# Altium PCB MdBBCar_CenterBoad_v1.0.PcbDoc
Units mil, origin at the board's own origin, x right, y up, seen from the top; angles counter-clockwise.
Board outline 3228.34 x 2154.2 mil, 4 copper layers (Top Layer, GND, PWR, Bottom Layer), stack 44.358 mil thick; 39 components, 37 nets, 233 pads, 335 vias.
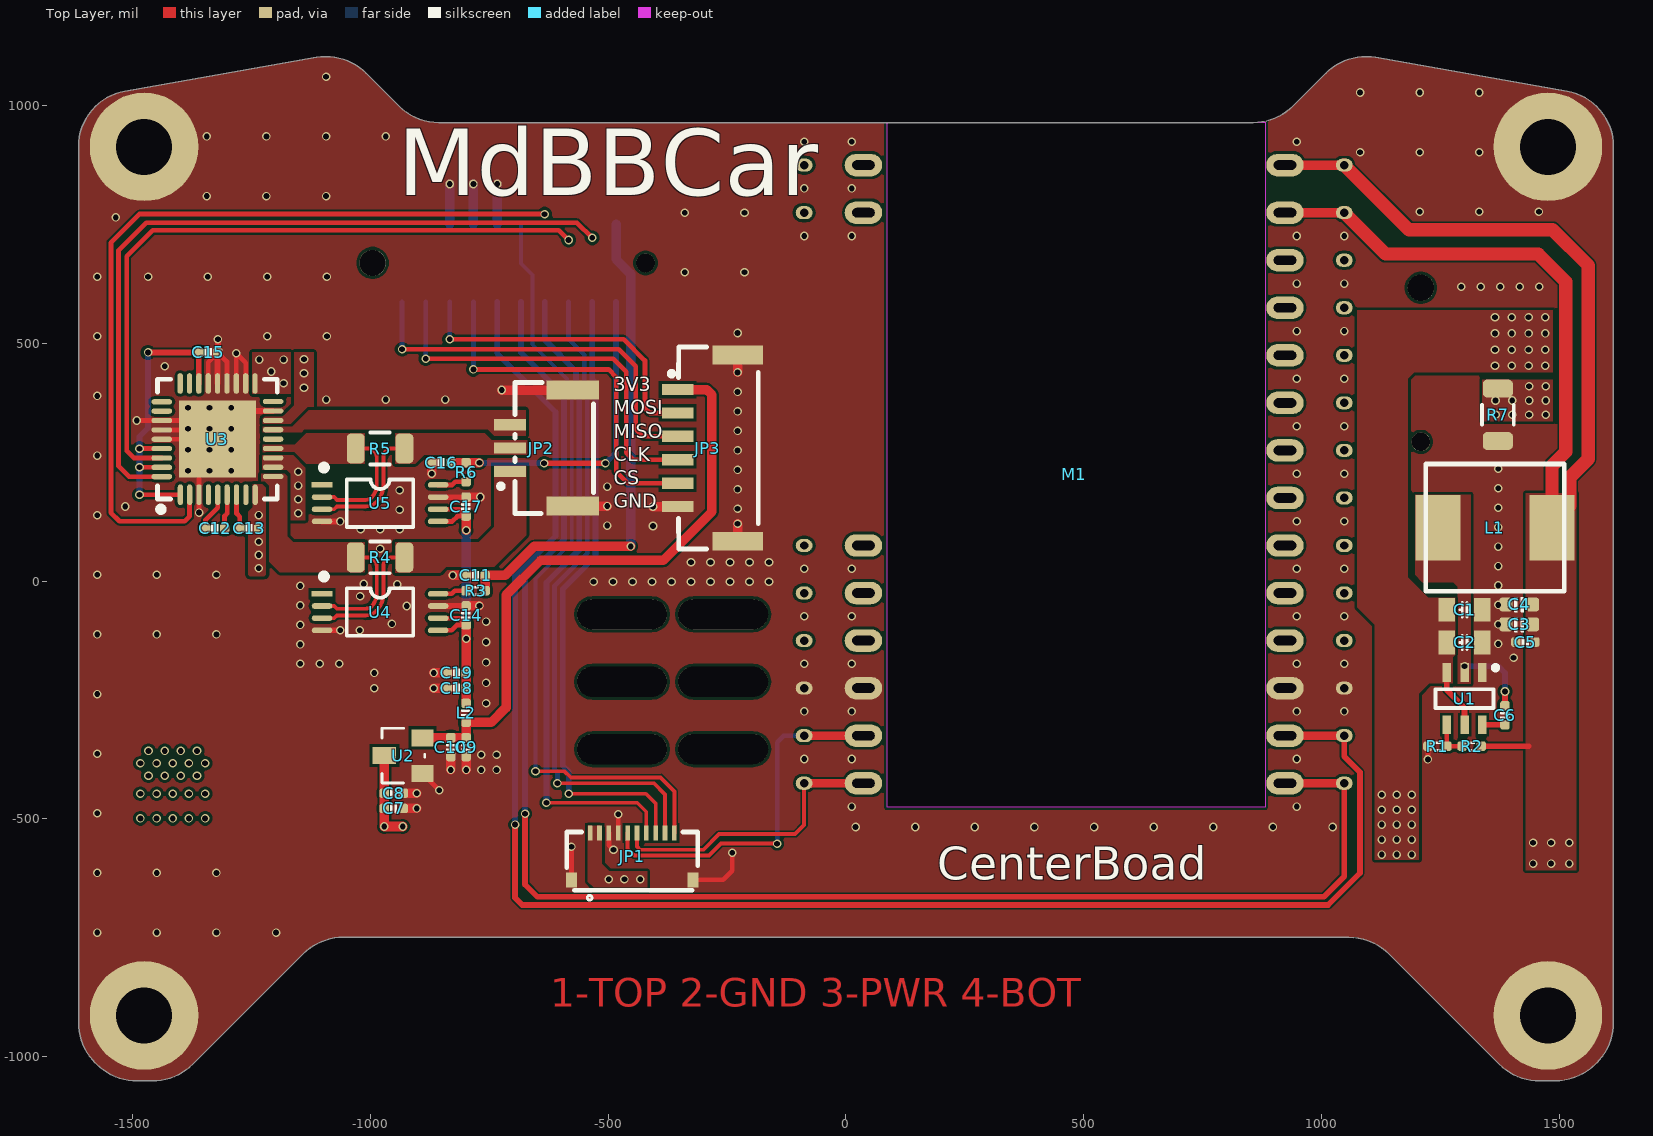
[diagram p0: Top Layer view]
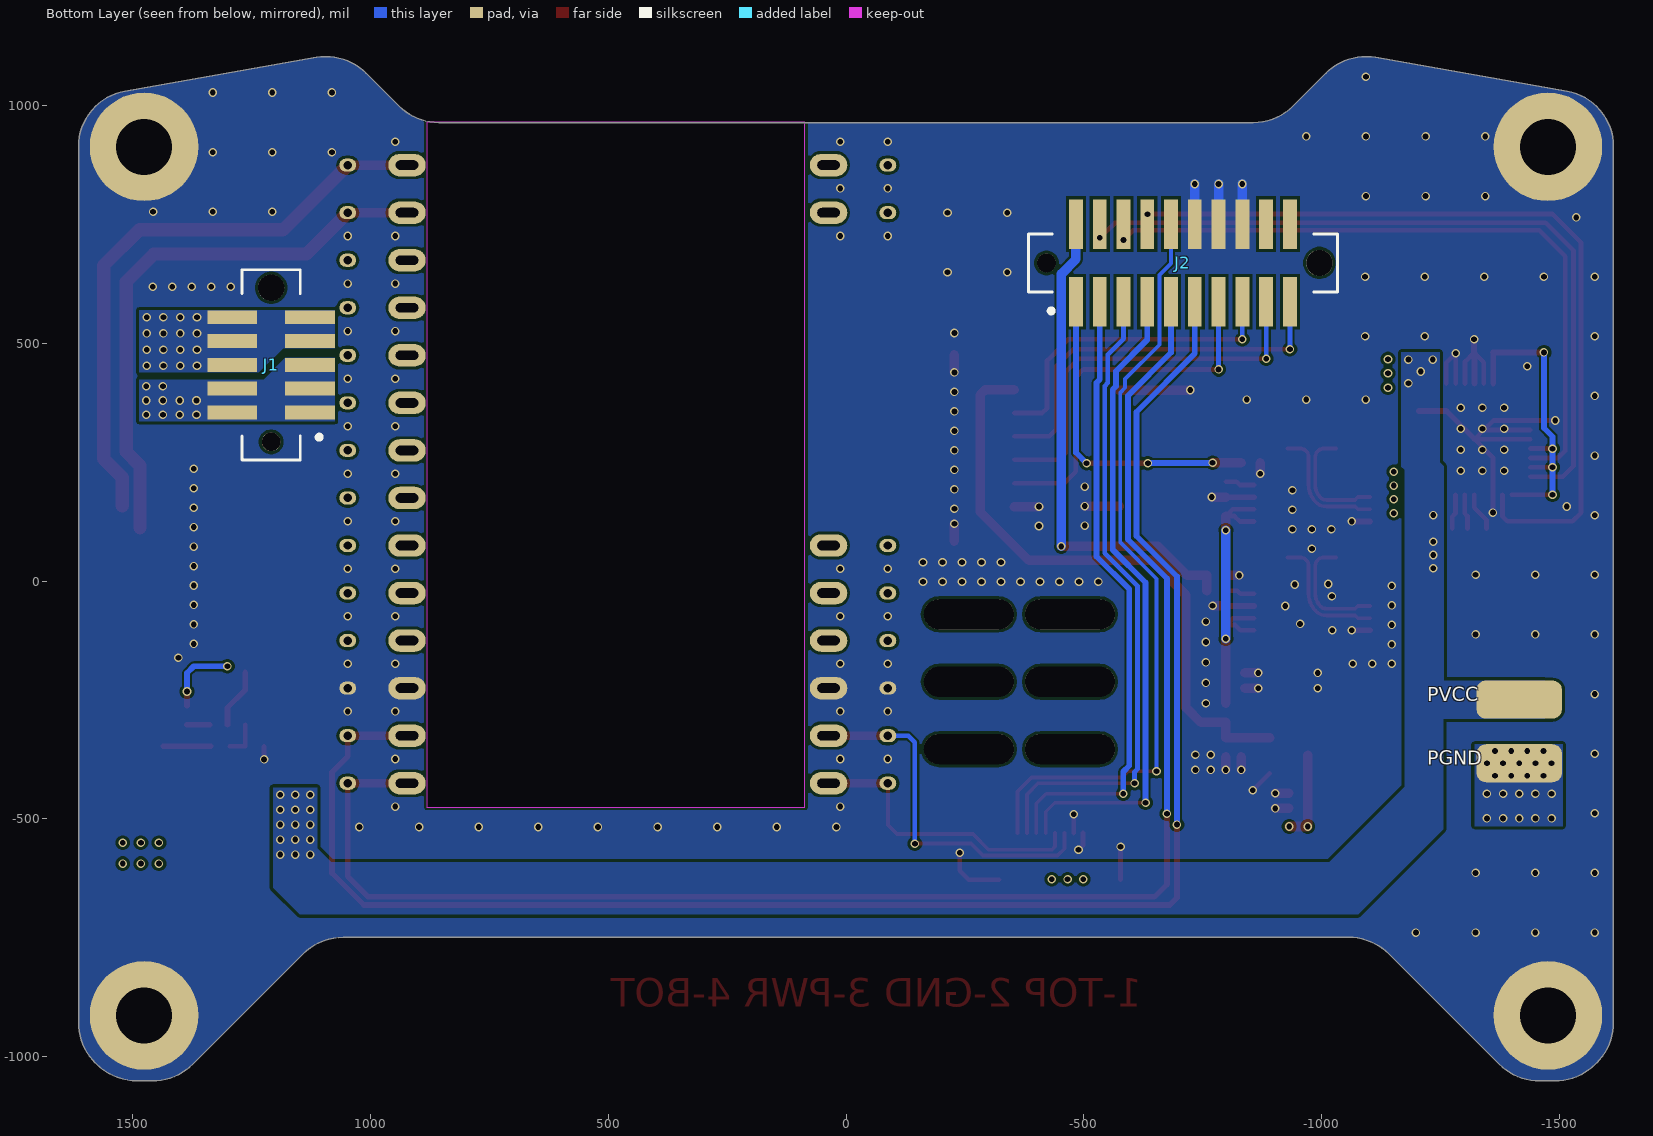
[diagram p1: Bottom Layer view, seen from below]
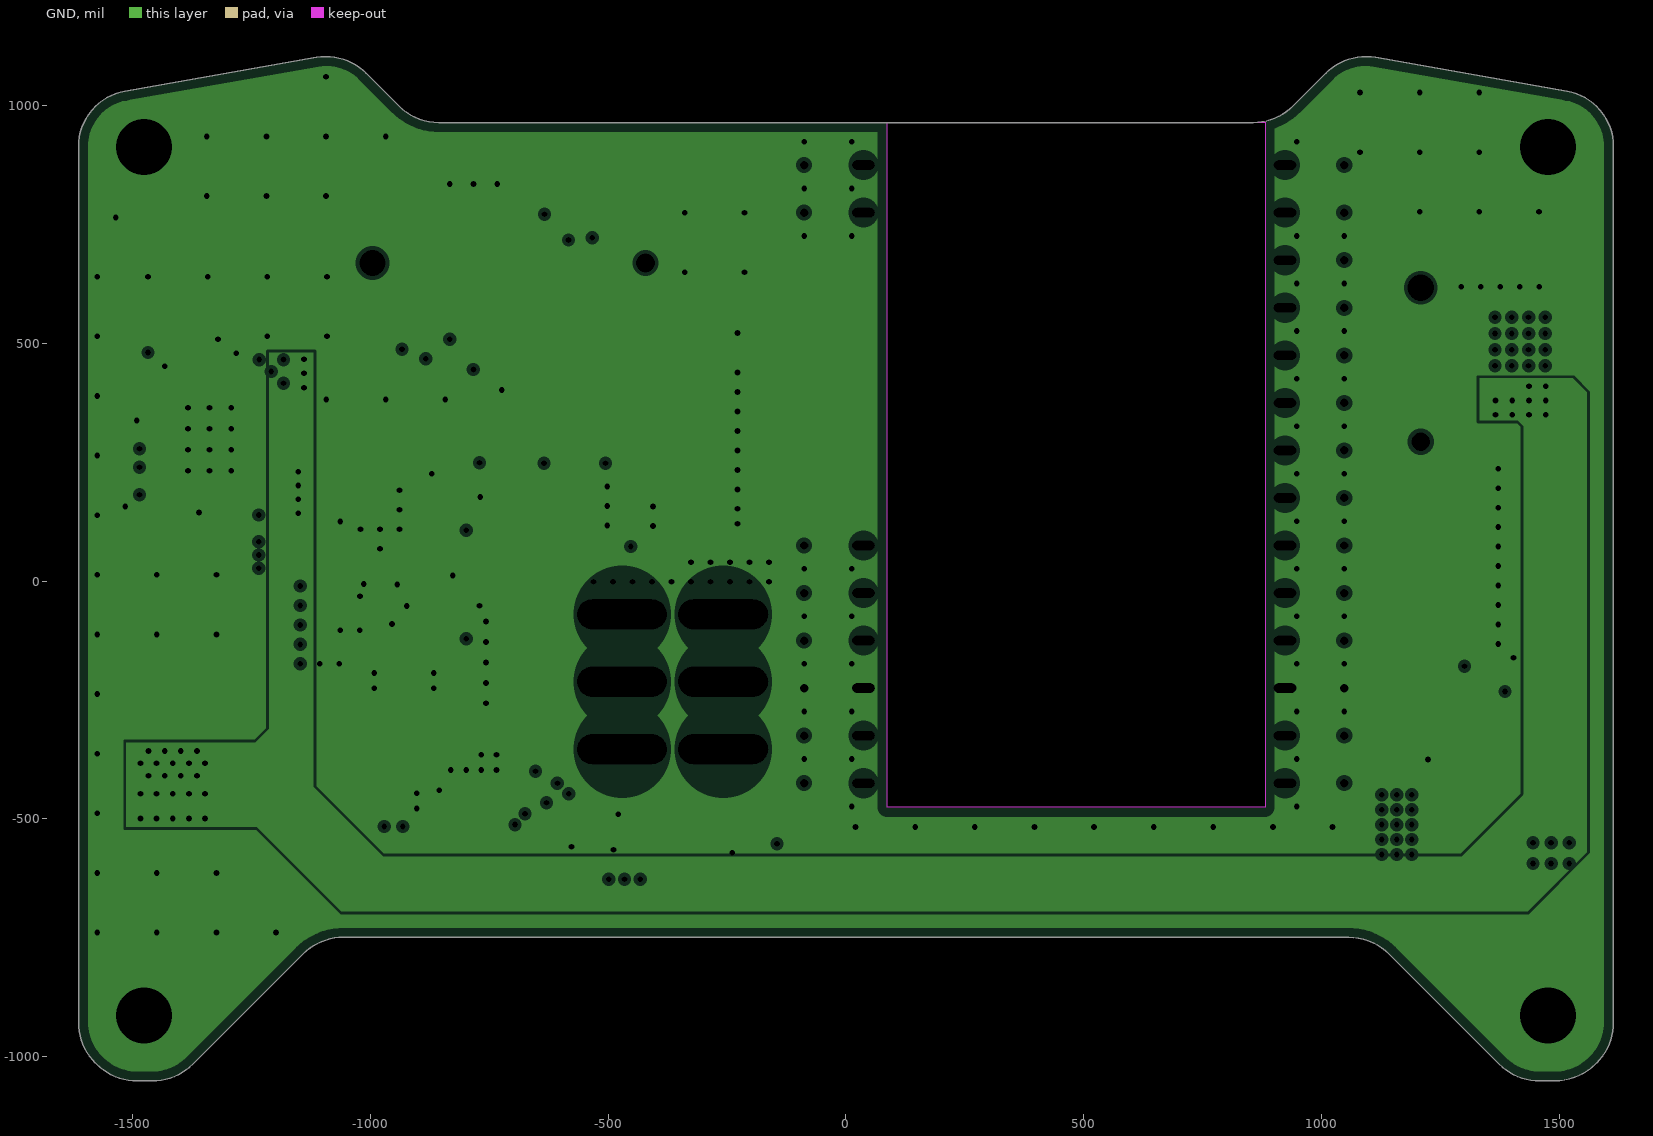
[diagram p2: GND, clearances drawn from the general rule]
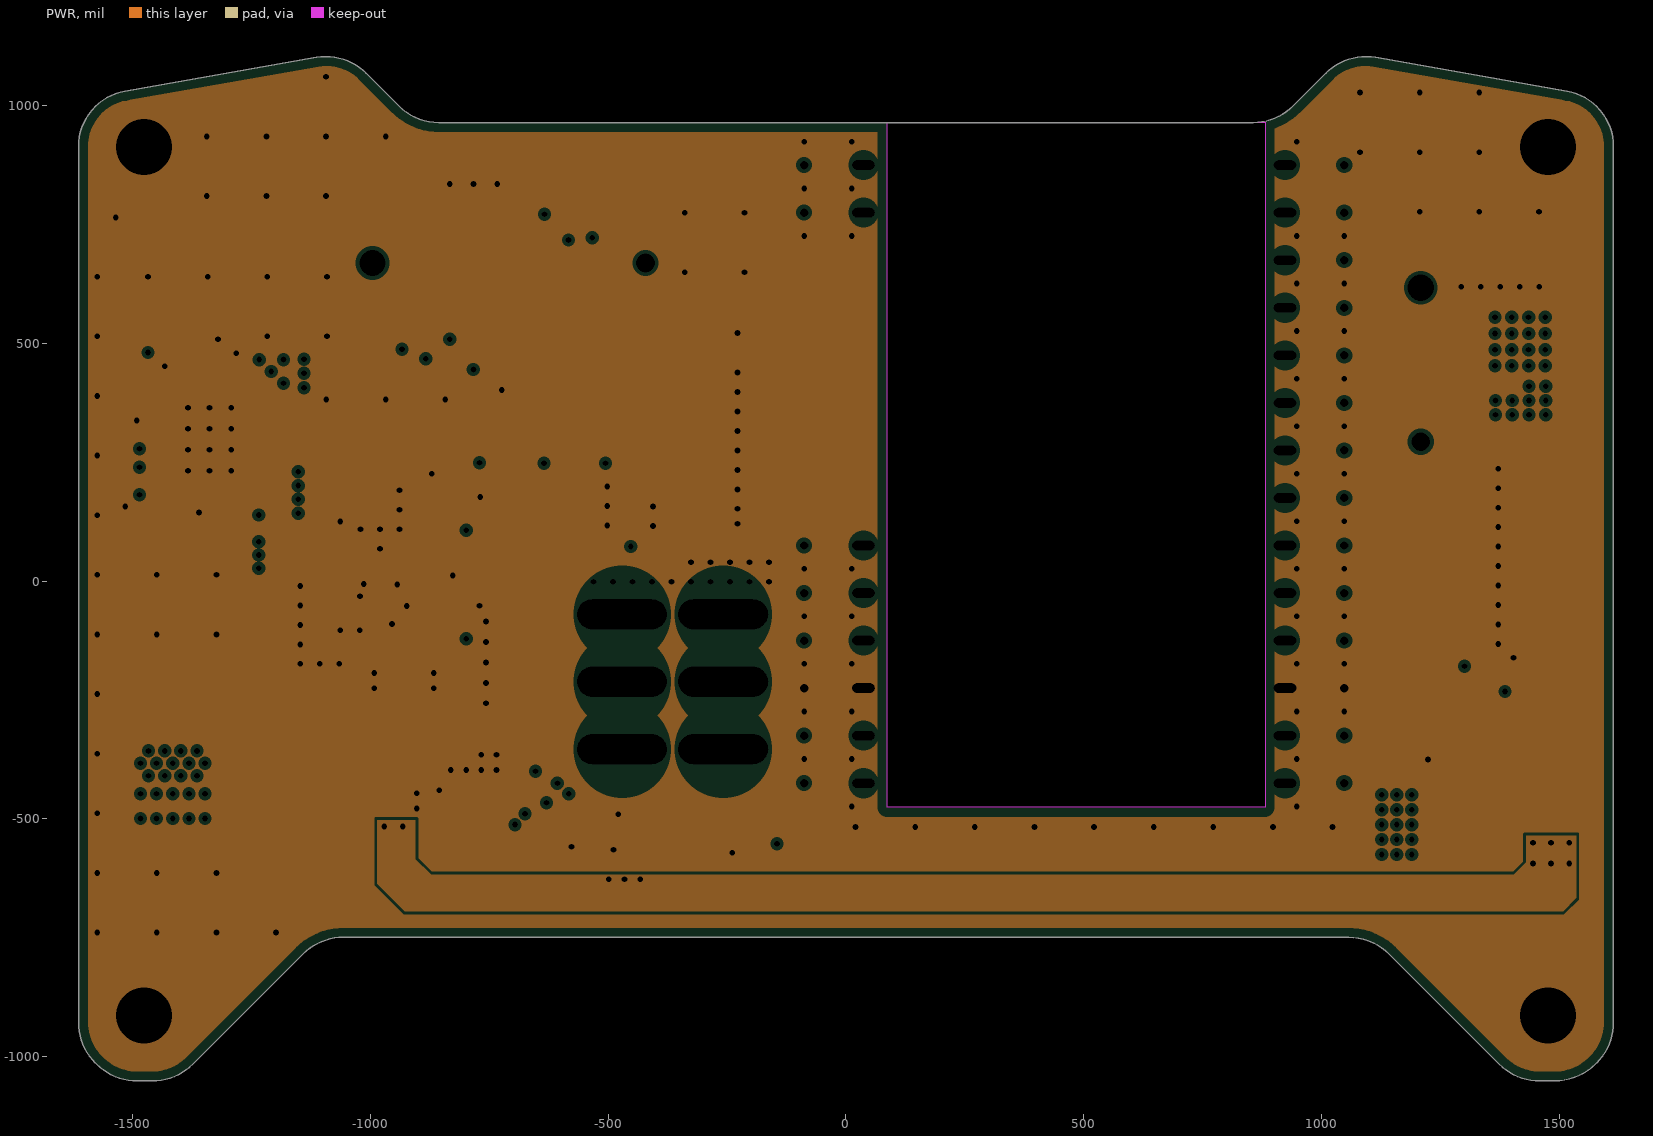
[diagram p3: PWR, clearances drawn from the general rule]

## Layer stack, top to bottom
Top Solder: solder mask 0.4, Solder Resist, Dk 3.5
Top Layer: signal copper 1.4
GND: prepreg 8.28, PP-006, Dk 4.1
GND: plane copper 0.689, net (Multiple Nets)
Dielectric 1: dielectric 23.62, FR-4, Dk 4.8
PWR: plane copper 0.689, net 5V
Dielectric 3: prepreg 8.28, PP-006, Dk 4.1
Bottom Layer: signal copper 1.4
Bottom Solder: solder mask 0.4, Solder Resist, Dk 3.5

## Board outline
-1578.81,-1013.19 -1576.36,-1015.64 ccw(c-1491,-930.29) -1491,-1051 -1459,-1051 ccw(c-1459,-930.29) -1373.64,-1015.64 -1142.36,-784.36 cw(c-1057,-869.71) -1057,-749 1057,-749 cw(c1057,-869.71) 1142.36,-784.36 1373.64,-1015.64 ccw(c1459,-930.29) 1459,-1051 1491,-1051 ccw(c1491,-930.29) 1576.36,-1015.64 1578.81,-1013.19 ccw(c1493.46,-927.83) 1614.17,-927.83 1614.17,914.05 ccw(c1496.06,914.05) 1516.57,1030.37 1113.6,1101.42 ccw(c1093.09,985.11) 1009.57,1068.62 940.1,999.16 cw(c856.59,1082.67) 856.59,964.57 -856.59,964.57 cw(c-856.59,1082.68) -940.1,999.16 -1009.57,1068.62 ccw(c-1093.09,985.11) -1113.6,1101.42 -1516.57,1030.37 ccw(c-1496.06,914.05) -1614.17,914.05 -1614.17,-927.83 ccw(c-1493.46,-927.83)

## Design rules (kind name [scope] priority, off if disabled: settings)
Clearance [All] p1: gap=6 ignorepadtopadclearanceinfootprint=FALSE except(1: THPad-Region; 4: Track-Track Track-Via Track-Poly Track-Hole)
ComponentClearance [All] p1: gap=4 collisioncheckmode=3 verticalgap=4 showdistances=FALSE
DiffPairsRouting [All] p1: maxlimit=10 minlimit=6 mostfreqgap=6 toplayer_minwidth=8 toplayer_maxwidth=15 toplayer_prefwidth=10 bottomlayer_minwidth=8 bottomlayer_maxwidth=15 bottomlayer_prefwidth=10 maxuncoupledlength=500
PlaneClearance [All] p1: clearance=8
PlaneConnect [All] p1: planeconnectstyle=Direct reliefexpansion=20 reliefentries=4 reliefconductorwidth=10 reliefairgap=10
PolygonConnect [All] p1: connectstyle=Direct reliefconductorwidth=10 reliefentries=4 polygonreliefangle="90 Angle" airgapwidth=10
RoutingVias [All] p1: holewidth=12 width=18 viastyle="Through Hole" minholewidth=12 minwidth=18 maxholewidth=28 maxwidth=50
SolderMaskExpansion [All] p1: expansion=4 istentingtop=FALSE
Width [All] p1: maxlimit=50 minlimit=4 preferedwidth=10
26 further rules are at their usual default settings.

## Classes and differential pairs
component class GimbalFPV: C11 C12 C13 C14 C15 C16 C17 C18 C19 L2 R3 R4 R5 R6 U3 U4 U5
component class Connector: J1 J2 JP1 JP2 JP3 R7
component class CarPower: C1 C2 C3 C4 C5 C6 C7 C8 C9 C10 L1 R1 R2 U1 U2
component class MaixCAMPort: M1
differential pair 3B_ISENS: +3B_ISENS_P -3B_ISENS_N
differential pair 3A_ISENS: +3A_ISENS_P -3A_ISENS_N

## Components (designator, comment, footprint, x,y, rotation, side; value= is the part's Value field where it differs from the comment)
C1 "22uF" "C 0805_L" 1301,-60 r180 top
C2 "22uF" "C 0805_L" 1301,-129 r180 top
C3 "22uF" "C 0603_L" 1416,-91 r0 top
C4 "22uF" "C 0603_L" 1416,-49 r0 top
C5 "100nF" "C 0402_L" 1429,-128 r180 top
C6 "100nF" "C 0402_L" 1386,-282 r270 top
C7 "10uF" "C 0402_L" -951,-478 r0 top
C8 "1uF" "C 0402_L" -951,-446 r0 top
C9 "10uF" "C 0402_L" -799,-349 r270 top
C10 "1uF" "C 0402_L" -831,-349 r270 top
C11 "2.2nF" "C 0402_L" -779,12 r180 top
C12 "10nF" "C 0402_L" -1327,111 r180 top
C13 "100nF" "C 0402_L" -1255,111 r180 top
C14 "100nF" "C 0402_L" -799,-72 r90 top
C15 "100nF" "C 0402_L" -1341,481 r180 top
C16 "2.2nF" "C 0402_L" -851,249 r180 top
C17 "100nF" "C 0402_L" -799,157 r90 top
C18 "4.7uF" "C 0402_L" -819,-225 r180 top
C19 "100nF" "C 0402_L" -819,-193 r180 top
J1 "BTB-1.27-M-2X5P" 1.27-M-2X5P 1209,455 r90 bottom locked
J2 "BTB-1.27-M-2X10P" 1.27-M-2X10P -708.66,669.29 r180 bottom locked
JP1 "FPC1.0-10P" "FPC0.5 1H-WS-10P" -449.49,-579 r0 top
JP2 "HDR-1X3" "GH 1.25-LS-3P" -641,280 r90 top
JP3 "HDR-1X6" GH1.25-LS-6P -291,280 r0 top
L1 "10uH" L-0630 1372,118 r0 top
L2 "BLM15AX102SN1D" "L 0402" -799,-277 r270 top
M1 "LiecheeRV-Nano" LicheeRV-Nano(SDIO_NC)-半孔探针 483.9,225.01 r180 top
R1 "200K" "R 0402_L" 1244,-347 r180 top
R2 "200K" "R 0402_L" 1316,-347 r180 top
R3 "100R" "R 0402_L" -779,-20 r180 top
R4 "0.01R" "RI 1206" -980,50 r0 top
R5 "0.01R" "RI 1206" -980,279 r0 top
R6 "100R" "R 0402_L" -799,229 r270 top
R7 "0R" "R 1206_L" 1371,350 r270 top
U1 "TPS564201" SOT23-6L 1301,-247 r180 top
U2 "CJ6206A33M" SOT23-3L -931,-367 r90 top
U3 "DRV8313" VQFN-36-6X6 -1322,298.8 r90 top
U4 "INA240" SSOP8_L -980,-65 r0 top
U5 "INA240" SSOP8_L -980,164 r0 top

## Footprints (in the part's own frame and the unit in brackets; to place one, negate y for a bottom-side part, rotate by r counter-clockwise, add the part's x,y. Pads: shape width x height; smd on the part's side, far side on the other; paste and mask are expansions set on the pad)
1.27-M-2X5P [mm]
  round 1 hole 1: 0(-4.115,0)
  round 1.4 hole 1.4: 0(4.115,0)
  rect 0.74x2.65 smd: 1(-2.54,-2.075) 2(-1.27,-2.075) 3(0,-2.075) 4(1.27,-2.075) 5(2.54,-2.075) 6(2.54,2.075) 7(1.27,2.075) 8(0,2.075) 9(-1.27,2.075) 10(-2.54,2.075)
  silkscreen extent -5.08,-2.68 5.08,1.55
1.27-M-2X10P [mm]
  round 1 hole 1: 0(-7.29,0)
  round 1.4 hole 1.4: 0(7.29,0)
  rect 0.74x2.65 smd: 1(-5.715,-2.075) 2(-4.445,-2.075) 3(-3.175,-2.075) 4(-1.905,-2.075) 5(-0.635,-2.075) 6(0.635,-2.075) 7(1.905,-2.075) 8(3.175,-2.075) 9(4.445,-2.075) 10(5.715,-2.075) 11(5.715,2.075) 12(4.445,2.075) 13(3.175,2.075) 14(1.905,2.075) 15(0.635,2.075) 16(-0.635,2.075) 17(-1.905,2.075) 18(-3.175,2.075) 19(-4.445,2.075) 20(-5.715,2.075)
  silkscreen extent -8.25,-2.68 8.25,1.55
"C 0402_L" [mil] "无极性贴片电容"
  rrect50% 20x20 smd: 1(20,0) 2(-20,0)
  silkscreen extent -7,-9 7,9, body extent -20,-10 20,10, height 20
"C 0603_L" [mil] "无极性贴片电容"
  rrect50% 28x30 smd: 1(-28,0) 2(28,0)
  silkscreen extent -10,-15 10,15, body extent -31,-16 32,16, height 31
"C 0805_L" [mil] "无极性贴片电容"
  rect 35x50 smd: 1(-37.4,0) 2(37.4,0)
  silkscreen extent -10,-15 10,15, body extent -39,-24 39,24, height 20
"FPC0.5 1H-WS-10P" [mm]
  rect 0.6x0.8 smd: 0(-3.25,-1.25) 0(3.25,-1.25)
  rect 0.25x0.8 smd: 1(-2.25,1.25) 2(-1.75,1.25) 3(-1.25,1.25) 4(-0.75,1.25) 5(-0.25,1.25) 6(0.25,1.25) 7(0.75,1.25) 8(1.25,1.25) 9(1.75,1.25) 10(2.25,1.25)
  silkscreen extent -3.5,-2.33 3.5,1.3, body extent -3.5,-1.75 3.5,1.45, height 1.4
GH1.25-LS-6P [mm]
  rect 1.7x0.6 smd paste+0 mask+0.051: 1(-1.6,3.125) 2(-1.6,1.875) 3(-1.6,0.625) 4(-1.6,-0.625) 5(-1.6,-1.875) 6(-1.6,-3.125)
  rect 2.7x1 smd paste+0 mask+0.051: 7(1.6,-4.975) 8(1.6,4.975)
  silkscreen extent -2.06,-5.4 2.7,5.4, body extent -2.15,-5.37 2.81,5.38, height 4.06
"GH 1.25-LS-3P" [mm]
  rect 0.6x1.7 smd: 1(-1.25,1.675) 2(0,1.675) 3(1.25,1.675)
  rect 1x2.8 smd: 4(3.1,-1.675) 5(-3.1,-1.675)
  silkscreen extent -3.5,-2.79 3.5,2.29, body extent -3.52,-3.05 3.52,1.9, height 4.27
"L 0402" [mil] "小功率贴片电感"
  rrect50% 20x20 smd: 1(20,0) 2(-20,0)
  silkscreen extent -7,-9 7,9, body extent -20,-10 20,10, height 20
L-0630 [mm]
  rect 2.4x3.5 smd: 1(-3.231,-0.141) 2(2.869,-0.141)
  silkscreen extent -3.88,-3.54 3.52,3.26, body extent -3.65,-3.13 3.35,2.87, height 3
LicheeRV-Nano(SDIO_NC)-半孔探针 [mm]
  oval 0.9x0.7 hole 0.45: 1(-14.327,16.51) 2(-14.327,13.97) 3(-14.327,11.43) 4(-14.327,8.89) 5(-14.327,6.35) 6(-14.327,3.81) 7(-14.327,1.27) 8(-14.327,-1.27) 9(-14.327,-3.81) 10(-14.327,-6.35) 11(-14.327,-8.89) 12(-14.327,-11.43) 13(-14.327,-13.97) 14(-14.327,-16.51) 15(14.527,-16.51) 16(14.527,-13.97) 23(14.527,3.81) 24(14.527,6.35) 25(14.527,8.89) 26(14.527,11.43) 27(14.527,13.97) 28(14.527,16.51)
  oval 2x1.2 hole 0.5 slot 1.2 at 0 deg: 1(-11.16,16.51) 2(-11.16,13.97) 3(-11.16,11.43) 4(-11.16,8.89) 5(-11.16,6.35) 6(-11.16,3.81) 7(-11.16,1.27) 8(-11.16,-1.27) 9(-11.16,-3.81) 10(-11.16,-6.35) 11(-11.16,-8.89) 12(-11.16,-11.43) 13(-11.16,-13.97) 14(-11.16,-16.51) 15(11.36,-16.51) 16(11.36,-13.97) 23(11.36,3.81) 24(11.36,6.35) 25(11.36,8.89) 26(11.36,11.43) 27(11.36,13.97) 28(11.36,16.51)
  Keep-Out Layer board cut-out: -10.1,-18.8 -10.1,17.8 10.1,17.8 10.1,-18.8
  body extent -14.54,-18.8 14.74,17.74, height 5.4
"R 0402_L" [mil] "1/16W贴片电阻"
  rrect50% 20x20 smd: 1(20,0) 2(-20,0)
  silkscreen extent -7,-9 7,10, body extent -20,-10 20,10, height 14
"R 1206_L" [mil] "1/4W贴片电阻"
  rrect50% 37.64x63.38 smd paste+0 mask+0: 1(-55.22,0) 2(55.22,0)
  silkscreen extent -21,-33 21,33, body extent -63,-31 63,31, height 22
"RI 1206" [mil]
  rrect50% 37.64x63.38 smd paste+0 mask+0: 1(-51.22,0) 2(51.22,0)
  silkscreen extent -21,-33 21,33, body extent -61,-31 61,31, height 26
SOT23-3L [mil] "3x1.3x1mm(长宽高)"
  rect 36x46 smd: 1(-37.5,-40) 2(37.5,-40)
  rect 36x50 smd: 3(0.5,40)
  silkscreen extent -57,-45 58,45, body extent -59,-47 59,47, height 41
SOT23-6L [mm] "3x1.6x1.1mm(长宽高)"
  rect 0.45x1 smd: 1(-0.95,-1.397) 2(0,-1.397) 3(0.95,-1.397) 4(0.95,1.397) 5(0,1.397) 6(-0.95,1.397)
  silkscreen extent -1.78,-1.78 1.55,0.51, body extent -1.5,-1.4 1.5,1.4, height 1.15
SSOP8_L [mm] "3*6.4*1.2mm（长宽高）"
  rect 1.1x0.3 smd: 1(-3.1,0.975)
  oval 1.1x0.3 smd: 2(-3.1,0.325) 3(-3.1,-0.325) 4(-3.1,-0.975) 5(3.1,-0.975) 6(3.1,-0.325) 7(3.1,0.325) 8(3.1,0.975)
  silkscreen extent -3.13,-1.27 1.78,2.03, body extent -3.2,-1.75 3.2,1.75, height 1.25
VQFN-36-6X6 [mm]
  oval 1.1x0.28 smd: 1(-2.972,1.981) 2(-2.972,1.483) 3(-2.972,0.983) 4(-2.972,0.483) 5(-2.972,-0.018) 6(-2.972,-0.518) 7(-2.972,-1.019) 8(-2.972,-1.519) 9(-2.972,-2.017) 19(2.972,-2.007) 20(2.972,-1.509) 21(2.972,-1.008) 22(2.972,-0.508) 23(2.972,-0.008) 24(2.972,0.493) 25(2.972,0.993) 26(2.972,1.494) 27(2.972,1.991)
  oval 0.28x1.1 smd: 10(-2.002,-2.972) 11(-1.504,-2.972) 12(-1.003,-2.972) 13(-0.503,-2.972) 14(-0.003,-2.972) 15(0.498,-2.972) 16(0.998,-2.972) 17(1.499,-2.972) 18(2.007,-2.972) 28(1.991,2.972) 29(1.494,2.972) 30(0.993,2.972) 31(0.493,2.972) 32(-0.008,2.972) 33(-0.508,2.972) 34(-1.008,2.972) 35(-1.509,2.972) 36(-2.007,2.972)
  rect 4.1x4.1 smd: 37(0,0)
  silkscreen extent -3.9,-3.2 3.2,3.2, body extent -3.06,-3.06 3.06,3.06, height 0.8

## Part data
C1 C2 C3 C4 C5 C6 C7 C8 C9 C10 C11 C12 C13 C14 C15 C16 C17 C18 C19: library part C, "无极性贴片电容", BOM名称=无极性贴片电容, 学习资源=www.ooocke.com, 版权归属=源创客
J1: library part M-2X5P
J2: library part M-2X10P
JP1: library part FPC-10P, "FPC连接器", BOM名称=FPC连接器, 学习资源=www.ooocke.com, 版权归属=源创客
JP2: library part "Header 3", "3P接插件", BOM名称=3P接插件, 学习资源=www.ooocke.com, 版权归属=源创客
JP3: library part "Header 6", "6P接插件", BOM名称=6P接插件, 学习资源=www.ooocke.com, 版权归属=源创客
L1: library part L-CD, "贴片功率电感", BOM名称=功率电感, 学习资源=www.ooocke.com, 版权归属=源创客
L2: library part L, "小功率贴片电感", BOM名称=小功率贴片电感, 学习资源=www.ooocke.com, 版权归属=源创客
M1: "Sipeed MaixCAM模块"
R1 R2 R3 R6 R7: library part R, "贴片电阻", BOM名称=贴片电阻, 学习资源=www.ooocke.com, 版权归属=源创客
R4 R5: library part R-I, "电流检测电阻", BOM名称=电流检测电阻, 学习资源=www.ooocke.com, 版权归属=源创客
U1: library part TPS563200, "3A  4.5V-17V输入 同步"
U2: library part LN6206PXXX, "三端稳压芯片 / 6V 250mA"
U3: "集成FET的3路半桥驱动器 / 3A"
U4 U5: "PWM抑制电流检测芯片"

## Free pads (board coordinates)
  round 228.35 hole 118.11: 1(-1476.38,-913.39) 1(-1476.38,913.39) 1(1476.38,-913.39) 1(1476.38,913.39)
  oval 188.98x62.99 hole 62.99 slot 188.98 at 0 deg: 2(-471.06,-353.27) 2(-471.06,-211.54) 2(-471.06,-69.8) 2(-258.46,-353.27) 2(-258.46,-211.54) 2(-258.46,-69.8)
  rrect50% 180x80 smd far side: 3(-1416,-383) 3(-1416,-249)

## Via types
v1: diameter 18, hole 12, Top Layer to Bottom Layer, 335 vias

## Nets (pads, with @x,y where several pads share a name; then routed paths per layer and width w, separated by ;. In a path a pad name is that pad's centre, name@x,y a point inside that pad or via, vN(x,y) a via of type N, cw(c..) or ccw(c..) an arc to the next point about the centre after c; other vN are vias at no path point)
3A_ISENS: C11.2 J2.20 R3.2 | length 1053.9
  Top Layer w20: R3.2 C11.2 -717,12 -656,73 v1(-453,73)
  Bottom Layer w20: J2.20 -483.66,676.96 -453.09,646.39 v1@-453.09,73
3A_ISENS_N: JP2.1 R4.2 U4.3 | length 272.2
  Top Layer w8: U4.3 -1076.39,-77.8 -1070.6,-72 -1010.07,-72 ccw(c-1010.07,-40.93) -988.1,-62.9 ccw(c-1024.56,-26.44) -973,-26.44 -973,32 cw(c-955,32) -955,50 R4.2
3A_ISENS_P: R4.1 U3.10 U4.2 | length 250.2
  Top Layer w8: U4.2 -1076.39,-52.2 -1070.6,-58 -1010.07,-58 ccw(c-1010.07,-40.93) -998,-53 ccw(c-1024.56,-26.44) -987,-26.44 -987,32 ccw(c-1005,32) -1005,50 R4.1
3B_ISENS: C16.2 J2.1 R6.2 | length 674.3
  Top Layer w12: v1(-635,248) v1(-506,248)
  Top Layer w20: C16.2 R6.2 v1(-771,249)
  Bottom Layer w12: v1(-771,249) -770.5,248.5 -635.5,248.5 v1(-635,248) ; v1(-506,248) -483.66,270.34 J2.1
3B_ISENS_N: JP2.2 R5.2 U5.3 | length 272.2
  Top Layer w8: U5.3 -1076.39,151.2 -1070.6,157 -1010.07,157 ccw(c-1010.07,188.07) -988.1,166.1 ccw(c-1024.56,202.56) -973,202.56 -973,261 cw(c-955,261) -955,279 R5.2
3B_ISENS_P: R5.1 U3.13 U5.2 | length 250.2
  Top Layer w8: U5.2 -1076.39,176.8 -1070.6,171 -1010.07,171 ccw(c-1010.07,188.07) -998,176 ccw(c-1024.56,202.56) -987,202.56 -987,261 ccw(c-1005,261) -1005,279 R5.1
5V: C3.2 C4.2 C5.2 C7.2 C8.2 JP1.1 JP1.2 L1.2 M1.13 M1.14 R2.2 U2.3 | length 2716.2
  Top Layer w12: R2.2 1436,-347
  Top Layer w20: U2.3 C8.2 C7.2 v1(-971,-516) v1(-932,-516) ; M1.13@923.26,775.02 M1.13@1047.94,775.02 ; M1.14@923.26,875.02 M1.14@1047.94,875.02
  Top Layer w28: M1.13@1047.95,775.02 1134.98,688 1456,688 1514,630 1514,272 1484.95,242.95 L1.2 ; M1.14@1047.95,875.02 1183.98,739 1486,739 1561,664 1561,257 1522.01,218.01 L1.2@1522.01,157.95
  other v1: -499,-627 -466,-627 -433,-627 1445,-594 1483,-594 1521,-594 1445,-550 1483,-550 1521,-550
AVCC_3V3: C9.2 C10.2 JP3.1 L2.1 U2.2 | length 1286.1
  Top Layer w20: U2.2 -799.5,-329.5 C9.2 L2.1 -746,-297 -715,-266 -715,-29 -642,44 -384,44 -282,146 -282,392 -293.03,403.03 JP3.1
DRV_3V3: C15.1 U3.1 U3.25 U3.33 U3.35 | length 658.9
  Top Layer w10: v1(-1486,181.8) U3.1 ; v1(-1486,239.4) U3.35 ; v1(-1486,278.8) U3.33
  Top Layer w12: v1(-1468,481) C15.1 -1361.1,480.9 U3.25
  Bottom Layer w12: v1(-1486,181.8) v1(-1486,239.4) v1(-1486,278.8) -1486,304 -1468,322 v1(-1468,481)
EC3_CLK: J2.9 JP3.4 | length 836.9
  Top Layer w10: v1(-883.66,468) -490,468 -462,440 -462,270 -447.4,255.4 JP3.4
  Bottom Layer w10: v1(-883.66,468) J2.9
EC3_CS: J2.7 JP3.5 | length 787.6
  Top Layer w10: v1(-783.66,445.34) -499.34,445.34 -483,429 -483,230 -459.18,206.18 JP3.5
  Bottom Layer w10: v1(-783.66,445.34) J2.7
EC3_MISO: J2.10 JP3.3 | length 833.1
  Top Layer w10: v1(-933.66,488) -478,488 -442,452 -442,319 -427.61,304.61 JP3.3
  Bottom Layer w10: v1(-933.66,488) J2.10
EC3_MOSI: J2.8 JP3.2 | length 684.3
  Top Layer w10: v1(-833.66,508.66) -467.66,508.66 -423,464 -423,364 -412.82,353.82 JP3.2
  Bottom Layer w10: v1@-833.66,505.66 v1(-833.66,508.66) J2.8
GND: C1.1 C2.1 C3.1 C4.1 C5.1 C7.1 C8.1 C9.1 C10.1 C11.1 C14.1 C15.2 C16.1 C17.1 C18.1 C19.1 J2.13 J2.14 J2.15 JP1.0 JP1.3 JP1.4 JP2.4 JP2.5 JP3.6 JP3.7 JP3.8 M1.3 M1.26 pad.1 R1.1 R7.2 U1.1 U2.1 U3.3 U3.17 U3.20 U3.21 U3.22 U3.23 U3.24 U3.30 U3.31 U3.32 U3.37 U4.4 U4.7 U5.4 U5.7 | length 2516.1
  Top Layer w10: v1(-1491.9,337.9) U3.30 -1361.1,337.9 U3.37@-1341.4,318.2 ; U3.32 U3.37@-1322.3,298.5 ; U3.31 U3.37@-1341.4,318.2 ; v1(-1360.7,144.3) U3.3 -1360.7,260.1 U3.37@-1322.3,298.5 ; U3.24 -1341.4,460.6 -1321.7,480.3 C15.2 -1302,462 U3.22 ; U3.21 v1(-1282.3,479.3) -1262.6,459.6 U3.20 ; U2.1 v1(-855.5,-440) ; JP1.0@-577.44,-628.22 v1(-577.44,-558.56) ; JP1.3 -498.7,-555.3 v1(-489,-565) ; JP1.4 v1(-479.01,-490.01) ; JP1.0@-321.54,-628.22 -258.22,-628.22 -239,-609 v1(-239,-571) ; v1(1224,-375) R1.1 ; U3.37@-1341.4,318.2 U3.37 U3.37@-1322.3,298.5
  Top Layer w12: U3.37 -1263,357.8 U3.17 ; U3.23 C15.2@-1321.7,480.3 ; C15.2 v1(-1321,509) ; U4.4 v1(-1063.61,-103.39) ; U5.4 v1(-1063.61,125.61) ; U4.7 -799.2,-52.2 C14.1 ; U5.7 -799.2,176.8 C17.1
  Top Layer w20: C7.1 v1(-903,-478) ; C8.1 v1(-903,-446) ; v1(-871,226) C16.1 ; v1(-867,-225) C18.1 ; v1(-867,-193) C19.1 ; v1(-831,-397) C10.1 ; v1(-827,12) C11.1 ; v1(-799,-397) C9.1 ; C14.1 v1(-771,-52) ; C17.1 v1(-769,177) ; v1(-723.95,402.05) JP2.4 ; JP2.5@-574.07,156.97 JP2.5 v1(-502.05,157.95) ; v1(-405.97,156.97) JP3.6 ; JP3.7 v1(-228.01,120.99) ; v1(-228.01,439.01) JP3.8
  Bottom Layer w20: J2.13 v1(-833.66,835.34) ; J2.14 v1(-783.66,835.34) ; J2.15 v1(-733.66,835.34)
  other v1: -1575,-739.13 -1449.59,-739.13 -1324.17,-739.13 -1198.76,-739.13 -1575,-613.72 -1449.59,-613.72 -1324.17,-613.72 20.11,-517 145.52,-517 270.94,-517 396.35,-517 521.76,-517 647.17,-517 772.59,-517 898,-517 1023.41,-517 -1575,-488.3 11.99,-474.01 947.92,-474 -767,-397 -735,-397 -88.01,-374.01 11.99,-374.01 947.92,-374 -767,-365 -735,-365 -1575,-362.89 -88,-274 12,-274 947.92,-274 1047.92,-274 -757,-257 -1575,-237.48 -992.41,-225 -757,-214 -992.41,-193 -1148,-174 -1107,-174 -1066,-174 -88,-174 12,-174 947.92,-174 1047.92,-174 -757,-171 1404,-161 -1148,-133 1372,-131.94 -757,-128 -1575,-112.06 -1449.59,-112.06 -1324.17,-112.06 -1022.61,-103.39 -1148,-92 1372,-91 -955,-90 -757,-85 -88,-74 12,-74 947.92,-74 1047.92,-74 -923.95,-52.2 -1148,-51 1372,-50.06 -1022,-32 -1148,-10 1372,-9.11 -944,-7 -1014,-6 -531,-1 -490,-1 -449,-1 -408,-1 -367,-1 -326,-1 -285,-1 -244,-1 -203,-1 -162,-1 -1575,13.35 -1449.59,13.35 -1324.17,13.35 -88,26 12,26 947.92,26 1047.92,26 1372,31.83 -326,40 -285,40 -244,40 -203,40 -162,40 -980,68 1372,72.78 -1021,109 -980,109 -939,109 1372,113.72 -405.97,115.97 -502.05,116.95 947.92,126 1047.92,126 -1575,138.76 -939,150 -228.01,152.01 1372,154.67 -1516,157 -939,191 -228.01,193.01 1372,195.61 -502.05,198.95 947.92,226 1047.92,226 -1384,232.5 -1338.5,232.5 -1293,232.5 -228.01,234.01 1372,236.56 -1575,264.17 -228.01,275.01 -1384,276.67 -1338.5,276.67 -1293,276.67 -228.01,316.01 -1384,320.83 -1338.5,320.83 -1293,320.83 947.92,326 1047.92,326 -228.01,357.01 -1384,365 -1338.5,365 -1293,365 -1093.41,382 -968,382 -842.59,382 -1575,389.59 -228.01,398.01 947.92,426 1047.92,426 -1433,452 -1575,515 -1217.17,515 -1091.76,515 -228.01,522 947.92,526 1047.92,526 1294,619 1335,619 1376,619 1417,619 1458,619 947.92,626 1047.92,626 -1575,640.41 -1468,640.41 -1342.59,640.41 -1217.17,640.41 -1091.76,640.41 -338.86,649.59 -213.44,649.59 -88,726 12,726 947.92,726 1047.92,726 -1536,765 -338.86,775.01 -213.44,775.01 1206.59,777 1332,777 1457.41,777 -1344.41,810 -1219,810 -1093.59,810 -88,826 12,826 1081.17,902.41 1206.59,902.41 1332,902.41 -88,924.03 12,924.03 947.92,924.03 -1344.41,935.41 -1219,935.41 -1093.59,935.41 -968.17,935.41 1081.17,1027.83 1206.59,1027.83 1332,1027.83 -1093.59,1060.83
IMU_CLK: J2.3 JP1.9 | length 1377.6
  Top Layer w8: v1(-607,-425) -404,-425 -380.59,-448.41 JP1.9
  Bottom Layer w10: v1(-607,-425) -607,-401.38 -613,-395.38 -613,-9.96 -544,59.04 -544,410.3 -550.66,416.96 -550.66,476.66 -583.66,509.66 J2.3
IMU_CS: J2.16 JP1.10 | length 1623.9
  Top Layer w8: v1(-653,-400) -592,-400 -579,-413 -390,-413 -360.9,-442.1 JP1.10
  Bottom Layer w8: J2.16 -683.66,668.47 -659.09,643.91 -659.09,497.09 -587,425 -587,406.63 -577,396.63 -577,81 -653,5 v1(-653,-400)
IMU_MISO: J2.4 JP1.7 | length 1374.9
  Top Layer w8: v1(-630,-466) -439,-466 -419.96,-485.04 JP1.7
  Bottom Layer w12: J2.4 -633.66,507.66 -567.66,441.66 -567.66,409.92 -561,403.25 -561,66.08 -630,-2.92 v1(-630,-466)
IMU_MOSI: J2.2 JP1.8 | length 1324.7
  Top Layer w8: v1(-583,-447) -421,-447 -400.27,-467.73 JP1.8
  Bottom Layer w12: v1(-583,-447) -583,-401 -596,-388 -596,-17 -527,52 -527,417.34 -533.66,424 J2.2
LED1_PWM: JP1.6 M1.28 | length 617.2
  Top Layer w8: JP1.6 -439.64,-558.36 -433,-565 -300,-565 -267,-532 -107,-532 -88.03,-513.03 M1.28@-88.03,-424.99
  Top Layer w18: M1.28@-88.03,-424.99 M1.28@36.65,-424.99
LED2_PWM: JP1.5 M1.27 | length 764
  Top Layer w8: JP1.5 -459.33,-562.67 -445,-577 -288,-577 -263,-552 v1(-145,-552)
  Top Layer w18: M1.27@-88.03,-324.99 M1.27@36.65,-324.99
  Bottom Layer w10: v1@-144.84,-552 -144.84,-338.59 -131.24,-324.99 M1.27@-88.03,-324.99
LRV_U0_RX: J2.5 M1.1 | length 3369.4
  Top Layer w12: v1(-675,-489) -675,-638 -649,-664 1005,-664 1047.95,-621.05 M1.1@1047.95,-424.98
  Top Layer w18: M1.1@923.26,-424.99 M1.1@1047.94,-424.99
  Bottom Layer w12: J2.5 -683.66,480.66 -593,390 -593,87.63 -675,5.63 v1(-675,-489)
LRV_U0_TX: J2.6 M1.2 | length 3578
  Top Layer w12: v1(-696,-512) -696,-666 -681,-681 1014,-681 1081,-614 1081,-402 1047.95,-368.95 M1.2@1047.95,-324.98
  Top Layer w18: M1.2@923.26,-324.98 M1.2@1047.94,-324.98
  Bottom Layer w12: J2.6 -733.66,478.66 -611,356 -611,95.08 -696,10.08 v1(-696,-512)
M3_PWMA: J2.17 U3.2 | length 1727.5
  Top Layer w10: U3.2 -1380.7,181.5 -1380.7,136.3 -1391,126 -1528,126 -1546,144 -1546,712 -1486,772 v1(-634,772)
M3_PWMB: J2.19 U3.36 | length 1587.5
  Top Layer w10: U3.36 -1507.8,219.8 -1530,242 -1530,696 -1472,754 -566,754 v1(-534,722)
M3_PWMC: J2.18 U3.34 | length 1449.9
  Top Layer w10: U3.34 -1498.1,259.1 -1513,274 -1513,683 -1458,738 -604,738 v1(-583.5,717.5)
M3_W: JP2.3 U3.15
NetC6_1: C6.1 U1.6 | length 47.6
  Top Layer w12: U1.6 C6.1
NetC6_2: C6.2 L1.1 U1.2 | length 159.8
  Top Layer w12: C6.2 v1(1386,-232)
  Bottom Layer w12: v1(1301,-179) 1372,-179 1386,-193 v1(1386,-232)
NetC12_1: C12.1 U3.5 | length 81.4
  Top Layer w10: C12.1 -1347,129 -1321.3,154.7 U3.5
NetC12_2: C12.2 U3.6 | length 73
  Top Layer w10: C12.2 -1307,137 -1301.6,142.4 U3.6
NetC13_1: C13.1 U3.7 | length 73.7
  Top Layer w10: U3.7 -1281.9,142.4 -1275,135.5 C13.1
NetR1_2: R1.2 R2.1 U1.4 | length 77.2
  Top Layer w10: U1.4 1263.6,-346.6 R1.2 R2.1
NetR3_1: R3.1 U4.8 | length 61.7
  Top Layer w10: U4.8 -829.61,-26.61 -823,-20 R3.1
NetR6_1: R6.1 U5.8 | length 61.7
  Top Layer w10: U5.8 -828.61,202.39 -822,209 R6.1
OP_VCC: C14.2 C17.2 C18.2 C19.2 L2.2 U4.5 U4.6 U5.5 U5.6 | length 680
  Top Layer w10: U4.5 -829.39,-103.39 -818,-92 C14.2 -813.2,-77.8 U4.6 ; U5.5 -828.39,125.61 -817,137 C17.2 -813.2,151.2 U5.6
  Top Layer w20: L2.2 C18.2 C19.2 v1(-799,-121) C14.2 ; v1(-799,107) C17.2
  Bottom Layer w20: v1(-799,-121) v1(-799,107)
PGND: J1.1 J1.2 J1.3 J1.9 J1.10 pad.3@-1416,-383 R7.1 U3.11 U3.12 U3.16
  other v1: -1484,-499 -1450,-499 -1416,-499 -1382,-499 -1348,-499 -1484,-447 -1450,-447 -1416,-447 -1382,-447 -1348,-447 -1467,-409 -1433,-409 -1399,-409 -1365,-409 -1484,-383 -1450,-383 -1416,-383 -1382,-383 -1348,-383 -1467,-357 -1433,-357 -1399,-357 -1365,-357 -1152,143 -1152,172 -1152,201 -1152,230 1366,350 1401.33,350 1436.67,350 1472,350 1366,380 1401.33,380 1436.67,380 1472,380 -1140,407 1436.67,410 1472,410 -1140,437 -1140,467
PVCC: C1.2 C2.2 C13.2 J1.4 J1.5 J1.6 J1.7 J1.8 pad.3@-1416,-249 U1.3 U1.5 U3.9 U3.19 | length 125.5
  Top Layer w12: U1.3 1263.6,-228.6 1301,-266 U1.5
  other v1: 1127,-575 1158.5,-575 1190,-575 1127,-543.5 1158.5,-543.5 1190,-543.5 1127,-512 1158.5,-512 1190,-512 1127,-480.5 1158.5,-480.5 1190,-480.5 1127,-449 1158.5,-449 1190,-449 -1235,27 -1235,55 -1235,83 -1235,139 -1183,416 -1209,441 1365,453 1400.33,453 1435.67,453 1471,453 -1234,466 -1183,466 1365,487 1400.33,487 1435.67,487 1471,487 1365,521 1400.33,521 1435.67,521 1471,521 1365,555 1400.33,555 1435.67,555 1471,555
pads on no net: J1.0 J2.0 J2.11 J2.12 M1.4 M1.5 M1.6 M1.7 M1.8 M1.9 M1.10 M1.11 M1.12 M1.15 M1.16 M1.23 M1.24 M1.25 U3.4 U3.8 U3.14 U3.18 U3.26 U3.27 U3.28 U3.29 U4.1 U5.1

## Polygon pours and split planes (outlines as drawn)
GND on Top Layer "GND_L01_P031" (solid, remove dead copper, pour order 31): -1578.81,-1013.19 -1576.36,-1015.64 ccw(c-1491,-930.29) -1491,-1051 -1459,-1051 ccw(c-1459,-930.29) -1373.64,-1015.64 -1142.36,-784.36 cw(c-1057,-869.71) -1057,-749 1057,-749 cw(c1057,-869.71) 1142.36,-784.36 1373.64,-1015.64 ccw(c1459,-930.29) 1459,-1051 1491,-1051 ccw(c1491,-930.29) 1576.36,-1015.64 1578.81,-1013.19 ccw(c1493.46,-927.83) 1614.17,-927.83 1614.17,914.05 ccw(c1496.06,914.05) 1516.57,1030.37 1113.6,1101.42 ccw(c1093.09,985.11) 1009.57,1068.62 940.1,999.16 cw(c856.59,1082.67) 856.59,964.57 -856.59,964.57 cw(c-856.59,1082.68) -940.1,999.16 -1009.57,1068.62 ccw(c-1093.09,985.11) -1113.6,1101.42 -1516.57,1030.37 ccw(c-1496.06,914.05) -1614.17,914.05 -1614.17,-927.83 ccw(c-1493.46,-927.83)
PGND on Top Layer "PGND_L01_P026" (solid, pour order 26): -1228,265.01 -1162.95,265.01 -1137,239.06 -1137,128 -1168,128 -1168,225.98 -1176.02,234 -1228,234
PVCC on Top Layer "PVCC_L01_P028" (solid, remove dead copper, pour order 28): -1248,204 -1228,204 -1220,196 -1220,13.14 -1223.14,10 -1254,10 -1257,13 -1257,146 -1248,155
3A_ISENS_P on Top Layer "3A_ISENS_P_L01_P027" (solid, remove dead copper, pour order 27): -1180,226 -1175,221 -1175,94 -1163,82 -1012,82 -1012,19 -1191,19 -1213,41 -1213,201 -1222,210 -1226.45,210 -1230,210 -1230,226
PGND on Top Layer "PGND_L01_P025" (solid, remove dead copper, pour order 25): -1227,329.69 -1169.33,329.69 -1132.02,367 -1119.92,367 -1119.92,481 -1160.65,481 -1160.65,370.35 -1184,347 -1227,347 -1227,334
PVCC on Top Layer "PVCC_L01_P023" (solid, remove dead copper, pour order 23): -1248.54,394.22 -1248.54,481 -1168,481 -1168,394.22
5V on Top Layer "5V_L01_P017" (solid, remove dead copper, pour order 17): -513.37,-513.97 -513.37,-594.63 -498,-610 -418,-610 -418,-644 -531,-644 -543,-632 -543,-514
NetC6_2 on Top Layer "NETC6_2_L01_P007" (solid, remove dead copper, pour order 7): 1314,-216 1314,182 1197,182 1197,13 1212,-2 1277,-2 1287,-12 1287,-216
M3_W on Top Layer "M3_W_L01_P004" (solid, remove dead copper, pour order 4): -1227,313 -1145,313 -1139,319 -753,319 -740,306 -674,306 -674,360 -1130,360 -1165,325 -1227,325
PGND on Top Layer "PGND_L01_P013" (solid, remove dead copper, pour order 13): 1486,424 1338,424 1338,336 1486,336
GND on Top Layer "GND_L01_P012" (solid, remove dead copper, pour order 12): 1419,-216 1419,314 1321,314 1321,-216
5V on Top Layer "5V_L01_P008" (solid, remove dead copper, pour order 8): 1430,185 1536,185 1536,-608 1430,-608
PVCC on Top Layer "PVCC_L01_P005" (solid, remove dead copper, pour order 5): 1276,-215 1276,-160 1281,-155 1281,-35 1225,-35 1182,8 1182,426 1195,439 1486,439 1486,570 1075,570 1075,-55 1112,-92 1112,-586 1205,-586 1205,-237 1227,-215
3B_ISENS_N on Top Layer "3B_ISENS_N_L01_P000" (solid, remove dead copper, pour order 0): -670,296 -745,296 -760,311 -948,311 -948,247 -906,247 -887,266 -670,266
3B_ISENS_P on Top Layer "3B_ISENS_P_L01_P002" (solid, remove dead copper, pour order 2): -1227,287 -1159,287 -1135,311 -1012,311 -1012,247 -1135,247 -1159,271 -1227,271
3A_ISENS_N on Top Layer "3A_ISENS_N_L01_P001" (solid, remove dead copper, pour order 1): -740,243 -740,114 -772,82 -948,82 -948,18 -853,18 -841,30 -740,30 -673,97 -673,243
GND on Bottom Layer "GND_L04_P032" (solid, remove dead copper, pour order 32): -1578.81,-1013.19 -1576.36,-1015.64 ccw(c-1491,-930.29) -1491,-1051 -1459,-1051 ccw(c-1459,-930.29) -1373.64,-1015.64 -1142.36,-784.36 cw(c-1057,-869.71) -1057,-749 1057,-749 cw(c1057,-869.71) 1142.36,-784.36 1373.64,-1015.64 ccw(c1459,-930.29) 1459,-1051 1491,-1051 ccw(c1491,-930.29) 1576.36,-1015.64 1578.81,-1013.19 ccw(c1493.46,-927.83) 1614.17,-927.83 1614.17,914.05 ccw(c1496.06,914.05) 1516.57,1030.37 1113.6,1101.42 ccw(c1093.09,985.11) 1009.57,1068.62 940.1,999.16 cw(c856.59,1082.67) 856.59,964.57 -856.59,964.57 cw(c-856.59,1082.68) -940.1,999.16 -1009.57,1068.62 ccw(c-1093.09,985.11) -1113.6,1101.42 -1516.57,1030.37 ccw(c-1496.06,914.05) -1614.17,914.05 -1614.17,-927.83 ccw(c-1493.46,-927.83)
PVCC on Bottom Layer "PVCC_L04_P030" (solid, remove dead copper, pour order 30): -1168,481 -1168,241 -1175,234 -1175,-209 -1175,-220 -1257,-220 -1257,-15 -1257,242 -1248.54,250.46 -1248.54,396.98 -1248.54,481
PVCC on Bottom Layer "PVCC_L04_P014" (solid, remove dead copper, pour order 14): 1205,-434 1205,-645 1149,-701 -1077,-701 -1256,-522 -1256,-209 -1175,-209 -1175,-432 -1016,-591 1082.28,-591 1112,-561.28 1112,-434
PGND on Bottom Layer "PGND_L04_P020" (solid, remove dead copper, pour order 20): -1507,-343 -1507,-515 -1322,-515 -1322,-343 -1350,-343
PVCC on Bottom Layer "PVCC_L04_P018" (solid, remove dead copper, pour order 18): -1188,-209 -1188,-289 -1470,-289 -1470,-209
PGND on Bottom Layer "PGND_L04_P011" (solid, remove dead copper, pour order 11): 1075,470 1179,470 1225,424 1486,424 1486,336 1075,336
PVCC on Bottom Layer "PVCC_L04_P009" (solid, remove dead copper, pour order 9): 1075,570 1486,570 1486,439 1235,439 1184,490 1075,490
5V on PWR (split plane): -905.06,-584 -904.83,-585.17 -904.16,-586.16 -874.16,-616.16 -873.17,-616.83 -872,-617.06 1404,-617.06 1405.17,-616.83 1406.16,-616.16 1429.16,-593.16 1429.83,-592.17 1430.06,-591 1430.06,-535.06 1535.94,-535.06 1535.94,-666.73 1507.73,-694.94 -927.73,-694.94 -985.94,-636.73 -985.94,-502.06 -905.06,-502.06
GND on PWR (split plane): 240 vertices, not listed, extent -1594.07,-1030.9 1594.07,1083.3
PGND on GND (split plane): -1120.06,-432 -1119.83,-433.17 -1119.16,-434.16 -975.16,-578.16 -974.17,-578.83 -973,-579.06 1294,-579.06 1295.17,-578.83 1296.16,-578.16 1424.16,-450.16 1424.83,-449.17 1425.06,-448 1425.06,325 1424.83,326.17 1424.16,327.16 1414.16,337.16 1413.17,337.83 1412,338.06 1332.06,338.06 1332.06,426.94 1528.73,426.94 1558.94,396.73 1558.94,-569.73 1433.73,-694.94 -1060.73,-694.94 -1237.84,-517.84 -1238.83,-517.17 -1240,-516.94 -1513.94,-516.94 -1513.94,-339.06 -1243,-339.06 -1241.83,-338.83 -1240.84,-338.16 -1214.84,-312.16 -1214.17,-311.17 -1213.94,-310 -1213.94,480.94 -1120.06,480.94
GND on GND (split plane): 240 vertices, not listed, extent -1594.07,-1030.9 1594.07,1083.3

## Other copper
Top Layer:
  text "1-TOP 2-GND 3-PWR 4-BOT" at -622,-895 h60
GND (plane layer: these items are gaps in the copper):
  lines w6: -1517,-520 -1240,-520 -1062,-698 1435,-698 1562,-571 1562,398 1530,430 1329,430 1329,335 1412,335 1422,325 1422,-448 1294,-576 -973,-576 -1117,-432 -1117,484 -1217,484 -1217,-310 -1243,-336 -1517,-336 -1517,-520
PWR (plane layer: these items are gaps in the copper):
  lines w6: -989,-638 -989,-499 -902,-499 -902,-584 -872,-614 1404,-614 1427,-591 1427,-532 1539,-532 1539,-668 1509,-698 -929,-698 -989,-638

## Silkscreen, mask and mechanical layers (free items; w line width, h text height)
Top Overlay:
  text "MdBBCar" at -943,765.78 h240
  text "3V3" at -489,389.37 h50
  text "MOSI" at -489,340.37 h50
  text "MISO" at -489,290.37 h50
  text "CLK" at -489,241.32 h50
  text "CS" at -489,192.37 h50
  text "GND" at -489,143.37 h50
  text "CenterBoad" at 192,-651.11 h120
Bottom Overlay:
  text "PVCC" at -1222,-262.68 h50
  text "PGND" at -1222,-396.63 h50
Mechanical 1:
  lines w6: -1614.17,-927.83 ccw(c-1493.46,-927.83) -1578.81,-1013.19 -1576.36,-1015.64 ccw(c-1491,-930.29) -1491,-1051 -1459,-1051 ccw(c-1459,-930.29) -1373.64,-1015.64 -1142.36,-784.36 cw(c-1057,-869.71) -1057,-749 1057,-749 cw(c1057,-869.71) 1142.36,-784.36 1373.64,-1015.64 ccw(c1459,-930.29) 1459,-1051 1491,-1051 ccw(c1491,-930.29) 1576.36,-1015.64 1578.81,-1013.19 ccw(c1493.46,-927.83) 1614.17,-927.83 1614.17,914.05 ccw(c1496.06,914.05) 1516.57,1030.37 1113.6,1101.42 ccw(c1093.09,985.11) 1009.57,1068.62 940.1,999.16 cw(c856.59,1082.68) 856.59,964.57 -856.59,964.57 cw(c-856.59,1082.68) -940.1,999.16 -1009.57,1068.62 ccw(c-1093.09,985.11) -1113.6,1101.42 -1516.57,1030.37 ccw(c-1496.06,914.05) -1614.17,914.05 -1614.17,-914.05 -1614.17,-927.83